# Altium PCB PCB1.PcbDoc
Units mil, origin at the board's own origin, x right, y up, seen from the top; angles counter-clockwise.
Board outline 6000 x 4000 mil, 2 copper layers (Top Layer, Bottom Layer); 105 components, 62 nets, 294 pads, 0 vias.
Unrouted connection lines stored in the file: 26.
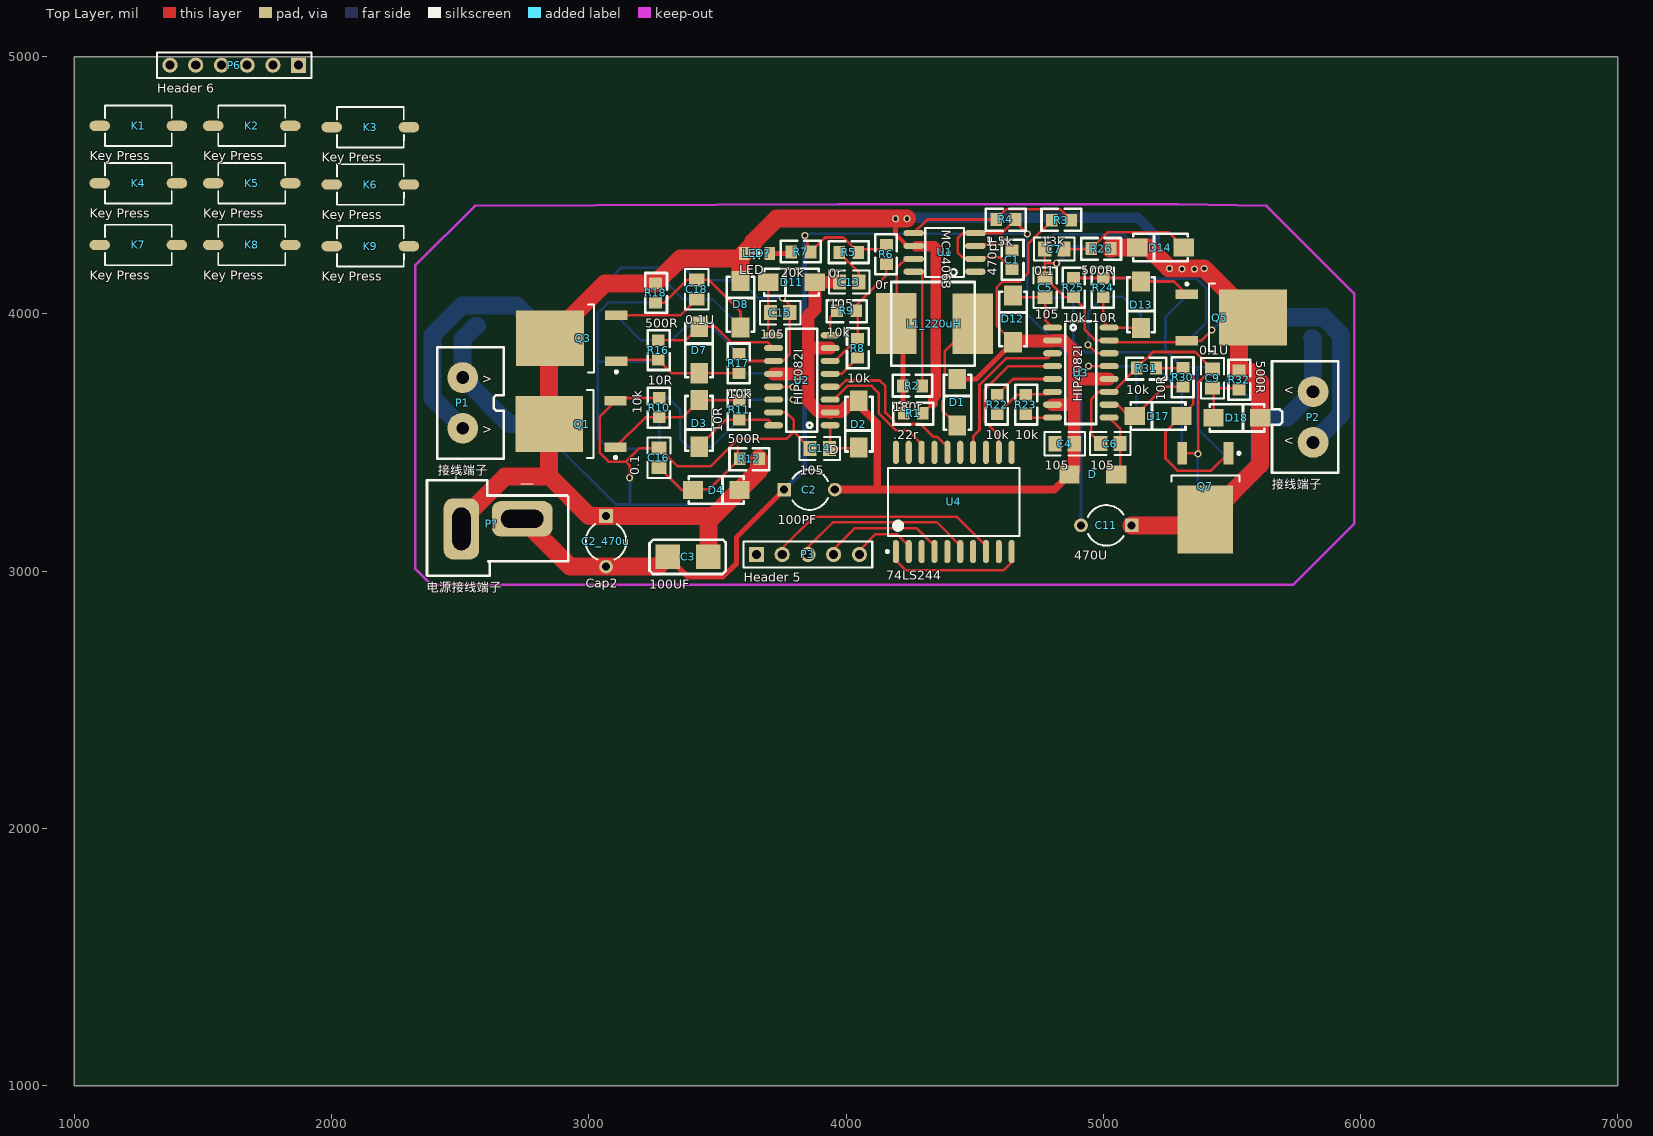
[diagram p0: Top Layer view]
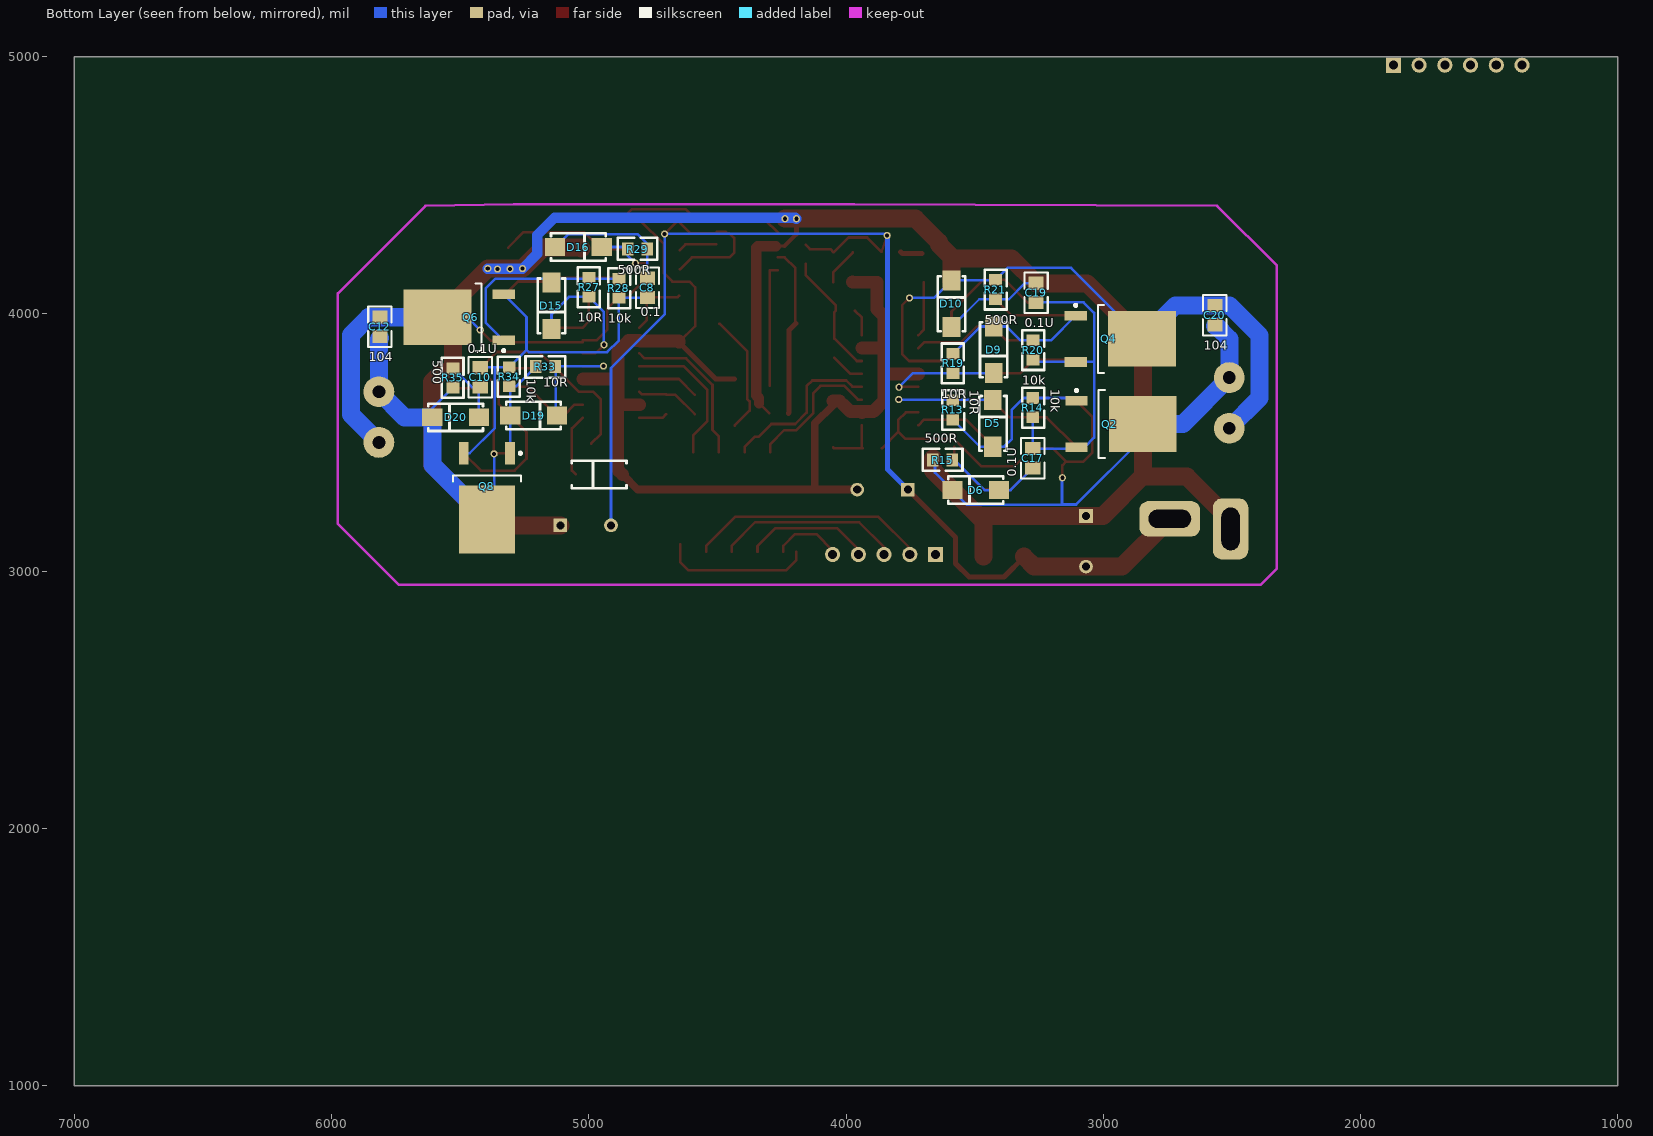
[diagram p1: Bottom Layer view, seen from below]
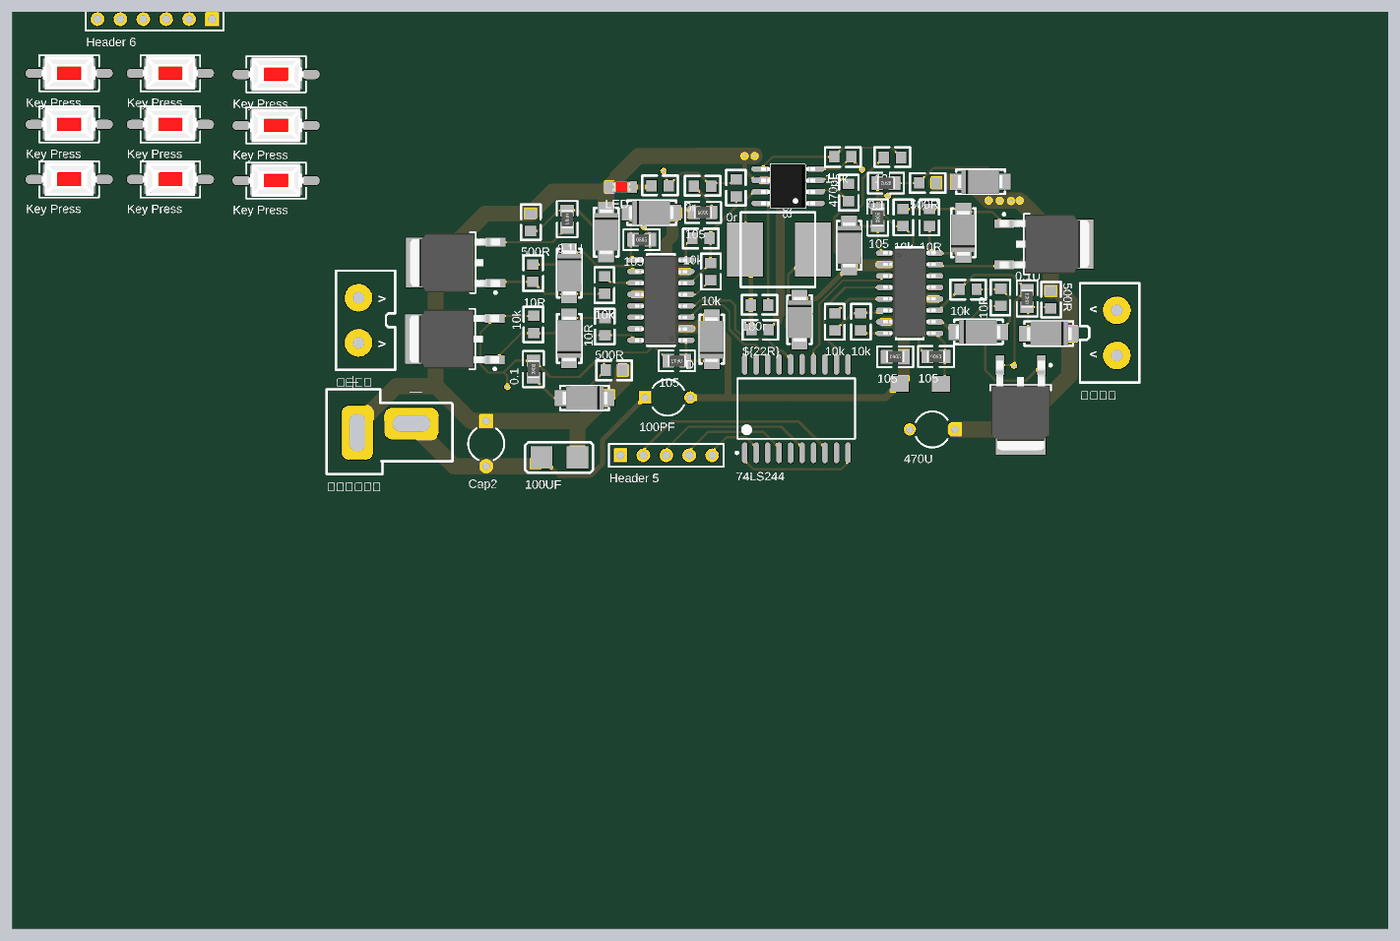
[diagram p2: 3D render of the assembled board from above, using the file's embedded part models]
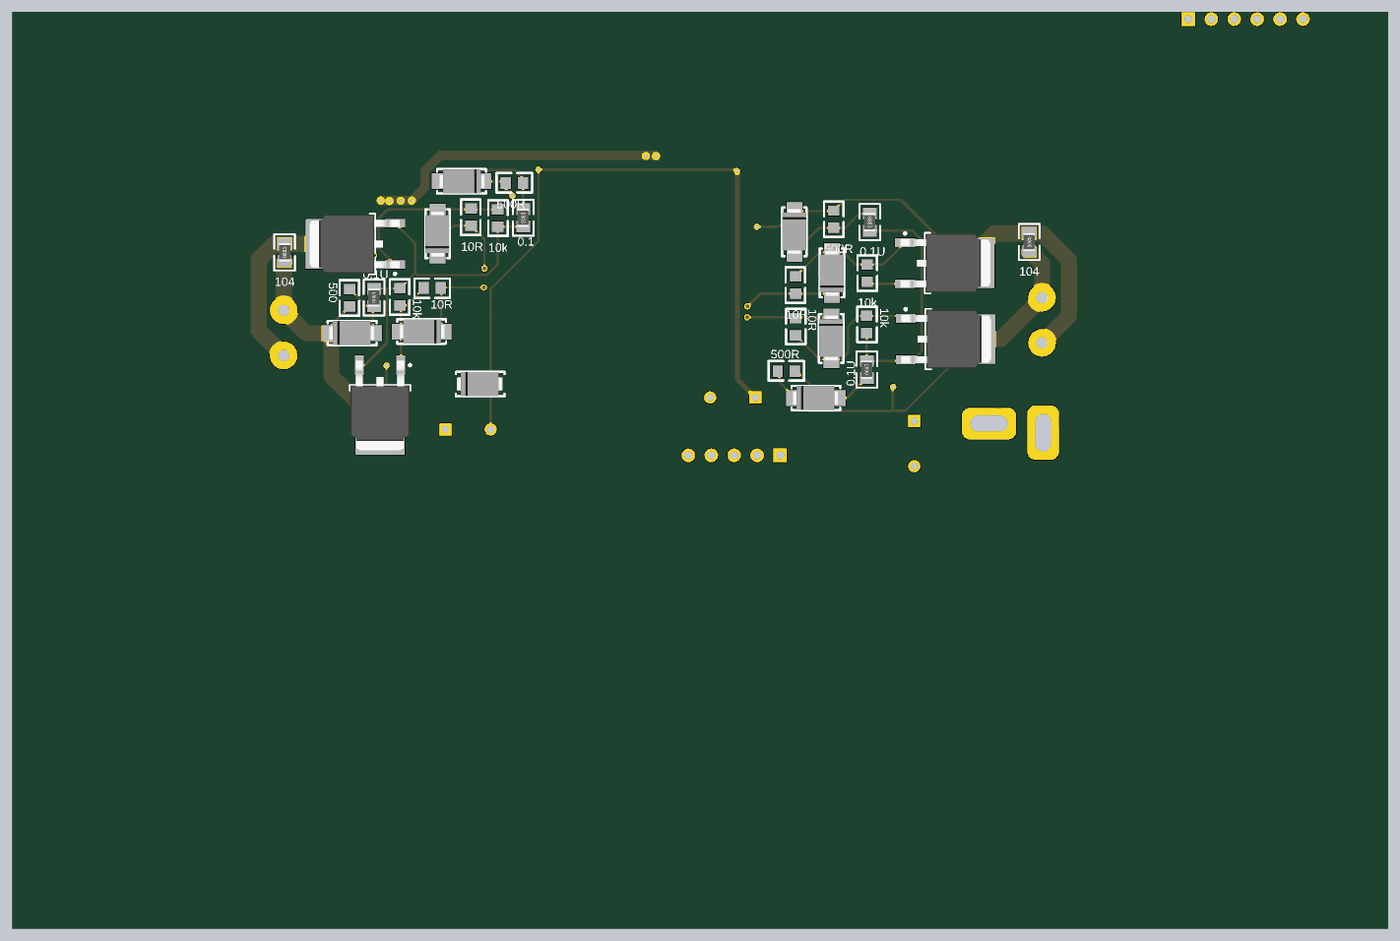
[diagram p3: 3D render of the assembled board from below, using the file's embedded part models]

## Layer stack, top to bottom
Top Solder: solder mask 0.4, Solder Resist, Dk 3.5
Top Layer: signal copper 1.4
Dielectric 1: dielectric 12.6, FR-4, Dk 4.8
Bottom Layer: signal copper 1.4
Bottom Solder: solder mask 0.4, Solder Resist, Dk 3.5

## Board outline
1000,1000 7000,1000 7000,5000 1000,5000

## Design rules (kind name [scope] priority, off if disabled: settings)
Clearance [All] p1: gap=10
PolygonConnect [All] p1: connectstyle=Relief reliefconductorwidth=10 reliefentries=4 polygonreliefangle="90 Angle" airgapwidth=10
RoutingVias [All] p1: holewidth=28 width=50 viastyle="Through Hole" minholewidth=28 minwidth=50 maxholewidth=28 maxwidth=50
SolderMaskExpansion [All] p1: expansion=4
Width [All] p1: maxlimit=100 minlimit=10 preferedwidth=10 minimp=50.000000 maximp=50.000000 favimp=50.000000
30 further rules are at their usual default settings.

## Components (designator, comment, footprint, x,y, rotation, side; value= is the part's Value field where it differs from the comment)
C1 "470pF" 0805#1 4646,4248 r270 top
C2 "100PF" CAPR5-4X5 3858,3317 r0 top
C2_470u "Cap2" CAPR5-4X5 3067,3116 r270 top
C3 "100UF" "胆电容 - duplicate" 3386,3056 r180 top
C4 "105" 0805#2 4850,3500 r0 top
C5 "105" 0805#2 4769,4102 r90 top
C6 "105" 0805#2 5028,3491 r180 top
C7 "0.1" 0805#2 4810,4247 r180 top
C8 "0.1" 0805#2 4767,4101 r270 bottom
C9 "0.1U" 0805#2 5420,3749 r90 top
C10 "0.1U" 0805#2 5427,3753 r90 bottom
C11 "470U" CAPR5-4X5 5012,3178 r180 top
C12 "104" 0805#2 5817,3950 r90 bottom
C13 "105" 0805#2 4012,4119 r180 top
C14 "105" 0805#2 3898,3472 r180 top
C15 "105" 0805#2 3744,4010 r0 top
C16 "0.1" 0805#2 3268,3441 r90 top
C17 "0.1U" 0805#2 3279,3439 r90 bottom
C18 "0.1U" 0805#2 3425,4095 r270 top
C19 "0.1U" 0805#2 3256,4082 r270 bottom
C20 "104" 0805#2 2561,3995 r270 bottom
D "二极管" 二极管 4964,3376 r0 top
D1 "二极管" 二极管 4433,3661 r90 top
D2 "D" 二极管 4050,3567 r270 top
D3 "二极管" 二极管 3429,3570 r270 top
D4 "二极管" 二极管 3500,3315 r0 top
D5 "二极管" 二极管 3429,3579 r90 bottom
D6 "二极管" 二极管 3500,3315 r0 bottom
D7 "二极管" 二极管 3429,3864 r90 top
D8 "二极管" 二极管 3590,4042 r90 top
D9 "二极管" 二极管 3426,3856 r270 bottom
D10 "二极管" 二极管 3590,4044 r90 bottom
D11 "二极管" 二极管 3784,4123 r180 top
D12 "二极管" 二极管 4649,3985 r90 top
D13 "二极管" 二极管 5147,4031 r270 top
D14 "二极管" 二极管 5218,4258 r180 top
D15 "二极管" 二极管 5145,4027 r270 bottom
D16 "二极管" 二极管 5036,4260 r180 bottom
D17 "二极管" 二极管 5209,3603 r180 top
D18 "二极管" 二极管 5524,3596 r0 top
D19 "二极管" 二极管 5210,3605 r180 bottom
D20 "二极管" 二极管 5522,3598 r0 bottom
K1 "Key Press" K_Press 1079,4826 r0 top
K2 "Key Press" K_Press 1520,4826 r0 top
K3 "Key Press" K_Press 1981,4821 r0 top
K4 "Key Press" K_Press 1079,4603 r0 top
K5 "Key Press" K_Press 1520,4603 r0 top
K6 "Key Press" K_Press 1981,4598 r0 top
K7 "Key Press" K_Press 1079,4363 r0 top
K8 "Key Press" K_Press 1520,4363 r0 top
K9 "Key Press" K_Press 1981,4358 r0 top
L1_220uH "" 电感8*8 4195,3963 r90 top
LED? "LED" LED(0805) 3654,4235 r0 top
P1 "接线端子" 接线端子 2405,3434 r90 top
P2 "接线端子" 接线端子 5921,3819 r270 top
P3 "Header 5" HDR1X5 3652,3065 r0 top
P6 "Header 6" HDR1X6 1872,4967 r180 top
P? "电源接线端子" T型接头 2610,3194 r0 top
Q1 "" "TO-252  mos管" 2931,3572 r180 top
Q2 "" "TO-252  mos管" 2931,3572 r180 bottom
Q3 "" "TO-252  mos管" 2934,3905 r180 top
Q4 "" "TO-252  mos管" 2934,3903 r180 bottom
Q5 "" "TO-252  mos管" 5498,3986 r0 top
Q6 "" "TO-252  mos管" 5504,3987 r0 bottom
Q7 "" "TO-252  mos管" 5397,3285 r270 top
Q8 "" "TO-252  mos管" 5396,3285 r270 bottom
R1 ".22r" 0805#1 4299,3614 r180 top
R2 "180r" 0805#1 4221,3720 r0 top
R3 "13k" 0805#1 4800,4364 r0 top
R4 "1.5k" 0805#1 4659,4367 r180 top
R5 "0r" 0805#1 3973,4239 r0 top
R6 "0r" 0805#1 4157,4194 r90 top
R7 "20k" 0805#1 3787,4241 r0 top
R8 "10k" 0805#1 4045,3904 r270 top
R9 "10k" 0805#1 4040,4012 r180 top
R10 "10k" 0805#1 3274,3598 r90 top
R11 "10R" 0805#1 3585,3589 r90 top
R12 "500R" 0805#1 3662,3437 r180 top
R13 "10R" 0805#1 3585,3664 r270 bottom
R14 "10k" 0805#1 3274,3673 r270 bottom
R15 "500R" 0805#1 3662,3432 r180 bottom
R16 "10R" 0805#1 3270,3897 r270 top
R17 "10k" 0805#1 3584,3770 r90 top
R18 "500R" 0805#1 3260,4119 r270 top
R19 "10R" 0805#1 3584,3770 r90 bottom
R20 "10k" 0805#1 3273,3897 r270 bottom
R21 "500R" 0805#1 3419,4132 r270 bottom
R22 "10k" 0805#1 4588,3610 r90 top
R23 "10k" 0805#1 4699,3685 r270 top
R24 "10R" 0805#1 5000,4064.68 r90 top
R25 "10k" 0805#1 4884,4139.68 r270 top
R26 "500R" 0805#1 5029,4254 r180 top
R27 "10R" 0805#1 4999,4066 r90 bottom
R28 "10k" 0805#1 4883,4137 r270 bottom
R29 "500R" 0805#1 4848,4252 r180 bottom
R30 "10R" 0805#1 5310,3716 r90 top
R31 "10k" 0805#1 5205,3789 r180 top
R32 "500R" 0805#1 5528,3781 r270 top
R33 "10R" 0805#1 5131,3795 r0 bottom
R34 "10k" 0805#1 5309,3718 r90 bottom
R35 "500" 0805#1 5528,3714 r90 bottom
U1 "MC34063" SO8NB 4383,4239 r90 top
U2 "HIP4082I" HIP4082I 3828.48,3727 r180 top
U3 "HIP4082I" HIP4082I 4913,3787 r0 top
U4 "74LS244" 74LS244D 4419,3269 r90 top

## Footprints (in the part's own frame and the unit in brackets; to place one, negate y for a bottom-side part, rotate by r counter-clockwise, add the part's x,y. Pads: shape width x height; smd on the part's side, far side on the other; paste and mask are expansions set on the pad)
74LS244D [mm] "SOP-20"
  oval 2.3x0.6 smd: 1(-4.9,5.715) 2(-4.9,4.445) 3(-4.9,3.175) 4(-4.9,1.905) 5(-4.9,0.635) 6(-4.9,-0.635) 7(-4.9,-1.905) 8(-4.9,-3.175) 9(-4.9,-4.445) 10(-4.9,-5.715) 11(4.9,-5.715) 12(4.9,-4.445) 13(4.9,-3.175) 14(4.9,-1.905) 15(4.9,-0.635) 16(4.9,0.635) 17(4.9,1.905) 18(4.9,3.175) 19(4.9,4.445) 20(4.9,5.715)
  silkscreen extent -5.02,-6.5 3.35,6.69, body extent -3.8,-6.5 3.8,6.5, height 2.65
0805#1 [mil]
  rect 45x50 smd: 1(0,0) 2(75,0)
  silkscreen extent -40,-41 115,44
0805#2 [mil]
  rect 51.18x59.06 smd: 1(-37.4,-5) 2(37.4,-5)
  silkscreen extent -79,-50 79,40, body extent -39,-30 39,20, height 22
CAPR5-4X5 [mm] "Capacitor; 2 Leads"
  rect 1.35x1.35 hole 0.8: 1(-2.5,0)
  round 1.35 hole 0.8: 2(2.5,0)
  silkscreen extent -1.69,-2 1.82,2
HDR1X5 [mm] "Connector; Header; 5 Position"
  rect 1.5x1.5 hole 0.9: 1(0,0)
  round 1.5 hole 0.9: 2(2.54,0) 3(5.08,0) 4(7.62,0) 5(10.16,0)
  silkscreen extent -1.27,-1.27 11.43,1.27
HDR1X6 [mm] "Connector; Header; 6 Position"
  rect 1.5x1.5 hole 0.9: 1(0,0)
  round 1.5 hole 0.9: 2(2.54,0) 3(5.08,0) 4(7.62,0) 5(10.16,0) 6(12.7,0)
  silkscreen extent -1.27,-1.27 13.97,1.27
HIP4082I [mil]
  oval 74x24 smd: 1(-110,160) 2(-110,110) 3(-110,60) 4(-110,10) 5(-110,-40) 6(-110,-90) 7(-110,-140) 8(-110,-190) 9(110,-190) 10(110,-140) 11(110,-90) 12(110,-40) 13(110,10) 14(110,60) 15(110,110) 16(110,160)
  silkscreen extent -60,-215 60,185, body extent -115,-207 113,179, height 69
K_Press [mil]
  oval 80x40 smd: 1(20,-95) 2(320,-95)
  silkscreen extent 40,-174 300,-16, body extent 50,-167 290,-21, height 98
LED(0805) [mil]
  rect 40x50 smd: 1(-50,0) 2(50,0)
  silkscreen extent -20,-20 20,20, body extent -37,-24 43,25, height 43
SO8NB [mil]
  oval 24x80 smd: 1(-75,-120) 2(-25,-120) 3(25,-120) 4(75,-120) 5(75,120) 6(25,120) 7(-25,120) 8(-75,120)
  silkscreen extent -95,-75 95,75, body extent -97,-118 96,118, height 61
"TO-252  mos管" [mm]
  rect 2.2x0.95 smd: 1(-4.4,2.28) 3(-4.4,-2.28)
  rect 6.7x5.5 smd: 2(2.15,0)
  silkscreen extent -4.52,-3.35 -1.6,3.43, body extent -4.9,-3.27 5.04,3.27, height 2.39
T型接头 [mm]
  rrect50% 3.5x6 hole 1.8 slot 4.2 at 90 deg: 1(-2.667,-0.762)
  rrect50% 6x3.5 hole 1.8 slot 4.2 at 0 deg: 2(3.333,0.238)
  silkscreen extent -6.07,-5.36 7.87,5.46
二极管 [mm] "SS-14/M7"
  rect 2x1.75 smd: 1(-2.413,0) 2(2.187,0)
  body extent -2.61,-1.33 2.49,1.34, height 2.12
接线端子 [mil]
  round 120 hole 50: 1(121.57,-105) 2(318.43,-105)
  silkscreen extent 3,-265 437,-7
电感8*8 [mm]
  rect 6x4 smd: 1(0,0) 2(-0.025,-7.544)
  silkscreen extent -4.17,-7.77 4.09,0.48
"胆电容 - duplicate" [mm]
  rect 2.4x2.45 smd: 1(-2,0) 2(2,0)
  silkscreen extent -3.71,-1.68 3.81,1.7

## Part data
C1: library part Cap, "Capacitor"
C2 C11: library part Cap2, "Capacitor"
C2_470u: "Capacitor"
C3: library part "Cap Pol1", "Polarized Capacitor (Radial)"
C4 C5 C6 C7 C8 C9 C10 C12 C13 C14 C15 C16 C17 C18 C19 C20: library part Cap, "无极电容"
D2: library part 二极管
K1 K2 K3 K4 K5 K6 K7 K8 K9: library part K_Press, "贴片按键"
L1_220uH: library part Inductor, "Inductor"
LED?: "发光二极管"
P3: "Header, 5-Pin"
P6: "Header, 6-Pin"
P?: "电源线"
Q1 Q2 Q3 Q4 Q5 Q6 Q7 Q8: library part NMOS-2, "N-Channel Power MOSFET"
R1 R2 R3 R4 R5 R6 R7 R8 R9 R10 R11 R12 R13 R14 R15 R16 R17 R18 R19 R20 R21 R22 R23 R24 R25 R26 R27 R28 R29 R30 R31 R32 R33 R34 R35: library part R

## Free pads (board coordinates)
  round 28 hole 16: 0(3795,3667) 2(3159,3363) 3(3794,3715) 4(4941,3880) 5(4943,3797) 6(5368,3456) 7(5422,3937) 8(3753,4062) 11(3840,4305) 12(5257.54,4176) 13(5306,4175) 14(5355,4174) 15(5392.65,4176) 16(4237,4370) 17(4193,4370) 18(4705,4311) 19(4819,4197)

## Nets (pads, with @x,y where several pads share a name; then routed paths per layer and width w, separated by ;. In a path a pad name is that pad's centre, name@x,y a point inside that pad or via, vN(x,y) a via of type N, cw(c..) or ccw(c..) an arc to the next point about the centre after c; other vN are vias at no path point)
5V: P3.1
12V: C2.2 C4.2 C13.2 D1.2 D2.1 D11.1 D12.1 D.1 R3.1 U2.2 U2.7 U2.12 U3.2 U3.7 U3.12 | length 4187.5
  Top Layer w10: D12.1 4586,3953 4586,4103.13 4608.34,4125.47 4674.47,4125.47 4708,4159 4708,4272 R3.1
  Top Layer w20: D2.1@4050,3645.36 D2.1 ; D1.2 4506.1,3747.1 D12.1
  Top Layer w30: C2.2 4810,3317 D.1 ; D2.1@4050,3645.36 4121,3574.36 4121,3317
  Top Layer w50: U2.12 3844,3767 3853,3776 ; U2.7 3854,3867 3853,3866 ; C13.2 3973.6,4123 D11.1 3879,4018 3853,3992 3853,3866 ; 4009.94,3647 3982.94,3620 3941.48,3620 U2.2 3935.48,3620 3894.01,3620 3853,3661.01 3853,3776 ; D2.1@4024.94,3662 D2.1 ; D12.1 4649,3894 4800,3894 U3.2 4845,3897 4886,3856 4886,3746 ; U3.7 4886,3647 ; D.1 4887.4,3394.4 C4.2 4887.4,3645.6 4886,3647 ; U3.12 4887,3747 4886,3746 ; 3853,3776 3853,3866 ; 4886,3647 4886,3746
AGND: C1.2 C2.1 C2_470u.2 C3.2 C11.2 P?.2 pad.11 pad.18 R4.1 R5.2 R6.2 R7.2 U1.2 U1.4 | length 5500.9
  Top Layer w10: pad.11 R7.2 3918,4297 3990,4297 R5.2 4061,4252 4140,4252 R6.2 ; U1.4 4606,4314 R4.1 4659,4357 pad.18 ; U1.4@4503,4320 4469,4320 4463,4314 4454,4314 4435,4295 4435,4237 4452,4220 4599,4220 C1.2
  Top Layer w20: C3.2 3386.26,2977 3521,2977 3574,3030 3574,3131.43 C2.1
  Top Layer w70: P?.2 2927.01,3017.57 C2_470u.2 3268.83,3017.57 C3.2
  Bottom Layer w10: pad.11 3846,4311 pad.18 4705,3998 4913.57,3789.43 C11.2
  Bottom Layer w20: C2.1 3838,3395.43 3838,4289 pad.11
DGND: R6.1 R8.1 R9.1 R22.1 R23.1 U2.6 U3.6 U4.1 U4.10 | length 1317.6
  Top Layer w10: U2.6 3958,3817 R8.1 4045,4007 R9.1 4040,4034 4157,4151 R6.1 ; U4.1 4194,3042 4232,3004 4614,3004 4644,3034 U4.10 U4.10@4644,3104.09 ; R22.1 4663,3685 R23.1 4699,3687 4793,3687 U3.6
NetC1_1: C1.1 U1.3 | length 150.1
  Top Layer w10: U1.3@4505,4270 4624,4270 C1.1
NetC5_1: C5.1 D12.2 U3.1 | length 257.3
  Top Layer w10: D12.2 4655.5,4064.6 C5.1 4774,3976 U3.1
NetC5_2: C5.2 C7.2 C12.2 D16.2 P2.2 pad.7 pad.19 Q5.3 Q6.2 R25.2 R29.1 U3.15 | length 2168.9
  Top Layer w10: C7.2 4772.6,4197 ; pad.19 4772.6,4197 ; pad.7 5381.24,3896.24 Q5.3 5319.06,3890.53 5023,3890.53 U3.15 4970,3897 4928,3939 4928,4020.68 R25.2 4850.25,4064.68 4809.74,4105.19 4808.21,4105.19 C5.2 4772.6,4140.8 4772.6,4197
  Bottom Layer w10: pad.19 4848,4226 R29.1 4856,4260 D16.2 ; pad.7 5472,3987 Q6.2
  Bottom Layer w70: Q6.2 5856.36,3987 5925,3918.36 5925,3609.57 P2.2
NetC6_1: C6.1 D.2 U3.9 | length 244.9
  Top Layer w10: U3.9 5065.4,3554.6 C6.1 5065.4,3391.3 D.2
NetC6_2: C6.2 C9.2 C12.1 D20.2 P2.1 pad.6 Q7.3 Q8.2 R31.2 R35.1 U3.11 | length 2536.3
  Top Layer w10: C6.2 4953,3533.6 4953,3668 4982,3697 U3.11 5038,3697 R31.2 5193,3852 5357.87,3852 5423.47,3786.4 5370,3732.93 5370,3459 5369.23,3458.23 Q7.3
  Bottom Layer w10: pad.6 5368,3228.35 Q8.2 ; R35.1 5608.1,3633.9 D20.2
  Bottom Layer w70: Q8.2 5608.1,3412.46 D20.2 5716.57,3598 P2.1 5816,3903 C12.1@5812,3907
NetC7_1: C7.1 D14.1 R26.2 | length 517.8
  Top Layer w10: C7.1 4952,4252 R26.2 5018,4318 5253,4318 D14.1
NetC8_1: C8.1 D16.1 R29.2 | length 528.6
  Bottom Layer w10: C8.1 4772,4251 R29.2 4773,4273 4809.45,4309.45 5081.55,4309.45 D16.1
NetC9_1: C9.1 D18.1 R32.2 | length 222.6
  Top Layer w10: D18.1 5429,3707.6 C9.1 5522.4,3711.6 R32.2
NetC10_1: C10.1 D20.1 R35.2 | length 256.1
  Bottom Layer w10: D20.1 5427,3710.6 C10.1 5454.6,3715.6 R35.2
NetC14_1: C14.1 D2.2 U2.1 | length 207.5
  Top Layer w10: U2.1 3938.48,3480.07 C14.1 4046.1,3477 D2.2
NetC14_2: C14.2 C16.2 C20.2 D6.2 P1.2 pad.2 Q1.3 Q2.2 R10.2 R15.1 U2.15 | length 3389.8
  Top Layer w10: pad.2 3159,3411 3144,3426 ; R10.2 3115.46,3673 Q1.3 3042,3599.54 3042,3461.24 3077.24,3426 3144,3426 ; U2.15 3767,3617 3797,3587 3797,3543 ; C14.2 3797,3540.6 3797,3543 ; 3144,3426 3196.4,3478.4 C16.2 3274.53,3478.4 3345.93,3407 3474,3407 3581,3514 3768,3514 3797,3543
  Bottom Layer w10: Q2.2 2846.35,3517.65 3105,3259 3160.35,3259 3160.35,3361.65 pad.2 ; 3160.35,3258 3529.1,3258 D6.2 3654,3382.9 3654,3424 R15.1
  Bottom Layer w70: C20.2@2566,3952.4 2560.4,3952.4 2510,3902 P1.2 2690.43,3572 Q2.2
NetC15_1: C15.1 D11.2 U2.9 | length 214.5
  Top Layer w10: D11.2 3697.9,3937.58 U2.9
NetC15_2: C15.2 C18.2 C20.1 D10.2 P1.1 pad.8 Q3.3 Q4.2 R17.2 R21.1 U2.11 | length 2823.2
  Top Layer w10: Q3.3 3357.17,3994.76 C18.2 ; R17.2 3612,3817 U2.11 3755,3817 3781.4,3843.4 C15.2 3781.4,4033.6 pad.8
  Bottom Layer w10: Q4.2 3125.35,4179 3372,4179 R21.1 3420.9,4130.1 D10.2 3658.1,4062 pad.8
  Bottom Layer w70: P1.1 2393,3672.57 2393,3917 2508.4,4032.4 C20.1 2719.95,4032.4 Q4.2
NetC16_1: C16.1 D4.1 R12.2 | length 443.9
  Top Layer w10: C16.1 3361.6,3315 D4.1 3408,3318 3468,3318 3579,3429 3579,3483
NetC17_1: C17.1 D6.1 R15.2 | length 397.3
  Bottom Layer w10: C17.1 3360.6,3315 D6.1 3461,3315 3578,3432 R15.2
NetC18_1: C18.1 D8.1 R18.2 | length 479.7
  Top Layer w10: R18.2 3294,4044 3382.4,4132.4 C18.1 3466.6,4132.4 3590,4009 D8.1
NetC19_1: C19.1 D10.1 R21.2 | length 399.6
  Bottom Layer w10: C19.1 3304.6,4119.4 3367,4057 R21.2 3482,4057 D10.1
NetD1_1: D1.1 L1_220uH.2 U1.1 | length 468.5
  Top Layer w10: D1.1 4375,3624 4375,3659.58 4383.5,3668.08 4383.5,3853.5 L1_220uH.2
NetD3_1: D3.1 Q1.1 R10.1 R11.2 | length 556.1
  Top Layer w10: Q1.1 3219.99,3598 R10.1 3364,3598 3430,3664 R11.2
NetD3_2: D3.2 R11.1 U2.16 | length 342.1
  Top Layer w10: D3.2 3534.1,3589 R11.1 3696.48,3589 U2.16
NetD5_1: D5.1 Q2.1 R13.2 R14.1 | length 674
  Bottom Layer w10: Q2.1 3115.46,3673 R14.1 3310,3673 3355,3628 3355,3514 3385,3484 D5.1 3480,3484 R13.2
NetD5_2: D5.2 pad.0 R13.1 U2.14 | length 364.1
  Bottom Layer w10: D5.2@3430.9,3667 pad.0
NetD7_1: D7.1 Q3.1 R16.2 R17.1 | length 501.9
  Top Layer w10: Q3.1 3113.99,3822 R16.2 3323,3769 D7.1 3583,3769 R17.1
NetD7_2: D7.2 R16.1 U2.10 | length 504.9
  Top Layer w10: R16.1 3375.9,3897 D7.2 3491.87,3950.1 3551.97,3890 3695.48,3890 U2.10
NetD9_1: D9.1 Q4.1 R19.2 R20.1 | length 582.7
  Bottom Layer w10: Q4.1 3202.99,3897 R20.1 3322,3897 3376,3951 D9.1 3478,3951 R19.2
NetD9_2: D9.2 pad.3 R19.1 U2.13 | length 467.1
  Top Layer w10: U2.13 3792,3717 pad.3
  Bottom Layer w10: D9.2 3739.1,3769.9 pad.3
NetD13_1: D13.1 Q5.1 R24.2 R25.1 | length 467.2
  Top Layer w10: R25.1 R24.2 5133.32,4139.68 D13.1 5274.54,4126 Q5.1
NetD13_2: D13.2 R24.1 U3.16 | length 252.1
  Top Layer w10: R24.1 5000,3970 U3.16 5144.9,3947 D13.2
NetD15_1: D15.1 Q6.1 R27.2 R28.1 | length 764.6
  Bottom Layer w10: R28.1 5363,4137 5401,4099 5401,3967.46 Q6.1
NetD15_2: D15.2 pad.4 R27.1 U3.14 | length 537
  Top Layer w10: pad.4 4974,3847 U3.14
  Bottom Layer w10: pad.4 4941,4008 R27.1 5077,4066 5145,3998 D15.2
NetD17_1: D17.1 Q7.1 R30.2 R31.1 | length 815.6
  Top Layer w10: R31.1 5306,3789 5310,3793 5350,3753 5350,3649 D17.1 5242,3541 5242,3437 5288,3391 5419.54,3391 Q7.1
NetD17_2: D17.2 R30.1 U3.10 | length 352
  Top Layer w10: U3.10 5055,3647 5099,3603 D17.2 5235.9,3716 R30.1
NetD19_1: D19.1 Q8.1 R33.2 R34.1 | length 396.8
  Bottom Layer w10: R33.2 5283,3718 R34.1 5305,3714 D19.1 5305,3459.46 Q8.1
NetD19_2: D19.2 pad.5 R33.1 U3.13 | length 460.1
  Top Layer w10: pad.5 U3.13
  Bottom Layer w10: pad.5 5129,3797 5129,3610.1 D19.2
NetK1_1: K1.1 K2.1 K3.1 P6.6
NetK1_2: K1.2 K4.2 K7.2 P6.3
NetK2_2: K2.2 K5.2 K8.2 P6.2
NetK3_2: K3.2 K6.2 K9.2 P6.1
NetK4_1: K4.1 K5.1 K6.1 P6.5
NetK7_1: K7.1 K8.1 K9.1 P6.4
NetL1_220uH_1: L1_220uH.1 R1.2 R2.1 U1.7 | length 663.4
  Top Layer w10: L1_220uH.1 4197,3963 4197,4178 4239,4220 U1.7@4265,4220
  Top Layer w20: L1_220uH.1 4221,3937 R2.1 4221,3617 R1.2
NetLED?_2: LED?.2 R7.1 | length 85.5
  Top Layer w20: LED?.2 3781,4235 R7.1
NetR2_2: R2.2 U1.8 | length 481
  Top Layer w10: U1.8@4265,4170 4296,4170 R2.2
NetR3_2: R3.2 R4.2 U1.5 | length 668.3
  Top Layer w10: U1.5 4316,4367 R4.2 4624,4407 4832,4407 R3.2
NetR8_2: R8.2 U2.5 | length 132.2
  Top Layer w10: U2.5 3983,3767 R8.2
NetR9_2: R9.2 U2.8 | length 106
  Top Layer w10: U2.8 3938.48,3985.48 R9.2
NetR22_2: R22.2 U3.5 | length 240.7
  Top Layer w10: R22.2 4650,3747 U3.5
NetR23_2: R23.2 U3.8 | length 109.4
  Top Layer w10: R23.2 4712,3597 U3.8
PWM1: P3.5 U4.2 | length 275.1
  Top Layer w10: P3.5 4052,3081 4115,3144 4198,3144 4244,3098 U4.2
PWM2: P3.4 U4.4 | length 495.6
  Top Layer w10: P3.4 3952,3084 4035,3167 4274.47,3167 4344,3097.47 U4.4
PWM3: P3.3 U4.6 | length 720.8
  Top Layer w10: P3.3 3852,3093 3949,3190 4353,3190 4444,3099 U4.6
PWM4: P3.2 U4.8 | length 935.8
  Top Layer w10: P3.2 3752,3089 3875,3212 4429.47,3212 4544,3097.47 U4.8
PWMOUT1: U2.3 U4.18 | length 548.9
  Top Layer w10: U2.3 3953.28,3667 4006.28,3720 4099,3720 4128,3691 4128,3613 4193,3548 4240,3548 4294,3494 U4.18
PWMOUT2: U2.4 U4.16 | length 653.8
  Top Layer w10: U2.4 3975,3717 3999,3741 4131,3741 4153,3719 4153,3616.29 4197.29,3572 4290,3572 4339.81,3522.19 4355.11,3522.19 4394,3483.29 U4.16
PWMOUT3: U3.3 U4.14 | length 607.4
  Top Layer w10: U4.14 4494,3524 4519,3549 4519,3724 4622,3827 4783,3827 U3.3
PWMOUT4: U3.4 U4.12 | length 567
  Top Layer w10: U4.12 4594,3528 4540,3582 4540,3705.71 4631.29,3797 U3.4
SGND: C4.1 C8.2 C10.2 C13.1 C17.2 C19.2 Q2.3 Q4.3 Q6.3 Q8.3 R5.1 R14.2 R20.2 R28.2 R34.2 | length 3012.9
  Top Layer w10: R5.1 4049.4,4162.6 C13.1
  Bottom Layer w10: C19.2 3075.84,4044.6 3035,4003.76 3035,3813.24 ; R20.2 3264.24,3813.24 Q4.3 3035,3813.24 ; R14.2 C17.2 3110.06,3476.4 Q2.3 3071.76,3482.24 3035,3519 3035,3813.24 ; C8.2 4773.6,4062 R28.2 4883,3896.99 4928.99,3851 5233,3851 5242,3860 ; Q6.3 5242,3987.99 5242,3860 ; C10.2 5419.4,3793 5366,3793 ; Q8.3 5462.77,3458.23 5366,3555 5366,3793 ; 5242,3860 R34.2 5366,3793
VCC: C2_470u.1 C3.1 C11.1 D4.2 D8.2 D14.2 D18.2 LED?.1 P?.1 pad.12 pad.13 pad.14 pad.15 pad.16 pad.17 Q1.2 Q3.2 Q5.2 Q7.2 R1.1 R12.1 R18.1 R26.1 R32.1 U1.6 | length 8127.3
  Top Layer w10: U1.6@4239,4264 U1.6 ; U1.6@4267,4268 U1.6@4272,4263 ; R1.1 4338,3653 ; 4344,4263 4348.5,4258.5
  Top Layer w15: 4193,4310 U1.6@4239,4264
  Top Layer w20: 4193,4310 pad.17
  Top Layer w40: U1.6@4272,4263 4344,4263 ; 4338,3653 4338,3672.07 4348.5,3682.57 4348.5,4258.5
  Top Layer w70: P?.1 2505,3197.62 2674.38,3367 2846.35,3367 Q1.2 ; C3.1 3464.74,3193.64 3485.53,3214.43 ; LED?.1@3585,4216 LED?.1 3639,4270 3639,4278.64 3730.34,4369.98 3984.61,4369.98 3985.64,4371 pad.17@4193,4371 ; D8.2 3590,4216 3357,4216 R18.1 3063.35,4119 Q3.2 2846.35,3902 Q1.2 ; R12.1 3662,3390.9 D4.2 3485.53,3214.43 ; pad.17 pad.17@4193,4371 ; pad.16@4237,4371 pad.17@4193,4371 ; R26.1 5033,4258 D14.2 5175.54,4258 pad.12 pad.15 Q5.2 5528,3931.35 R32.1 ; C11.1 5374.65,3178 Q7.2 5610.1,3413.46 D18.2 5610.1,3735.04 5571.64,3773.5 ; Q1.2 2846.35,3369.65 3001.57,3214.43 C2_470u.1 3485.53,3214.43
  Bottom Layer w40: pad.17 4197,4374 5133.25,4374 5200.37,4306.88 5200.37,4233.17 pad.12 pad.15
pads on no net: U4.3 U4.5 U4.7 U4.9 U4.11 U4.13 U4.15 U4.17 U4.19 U4.20

## Keep-outs
Keep-Out Layer:
  lines w10: 2325,3011 2389,2947 5738,2947 5975,3184 5975,4080 5635,4420 5291,4427 3968,4427 2557,4420 2325,4188 2325,3011

## Text inside footprints (layer, text, board x,y; h text height)
P1: Top Overlay "V" at 2628.11,3535.89 h50 r90; Top Overlay "V" at 2628.11,3732.74 h50 r90
P2: Top Overlay "V" at 5697.89,3717.11 h50 r270; Top Overlay "V" at 5697.89,3520.26 h50 r270